# KiCad board AI_Pyramid_PCB_HDMI_V0.3_20251031.kicad_pcb (continued)
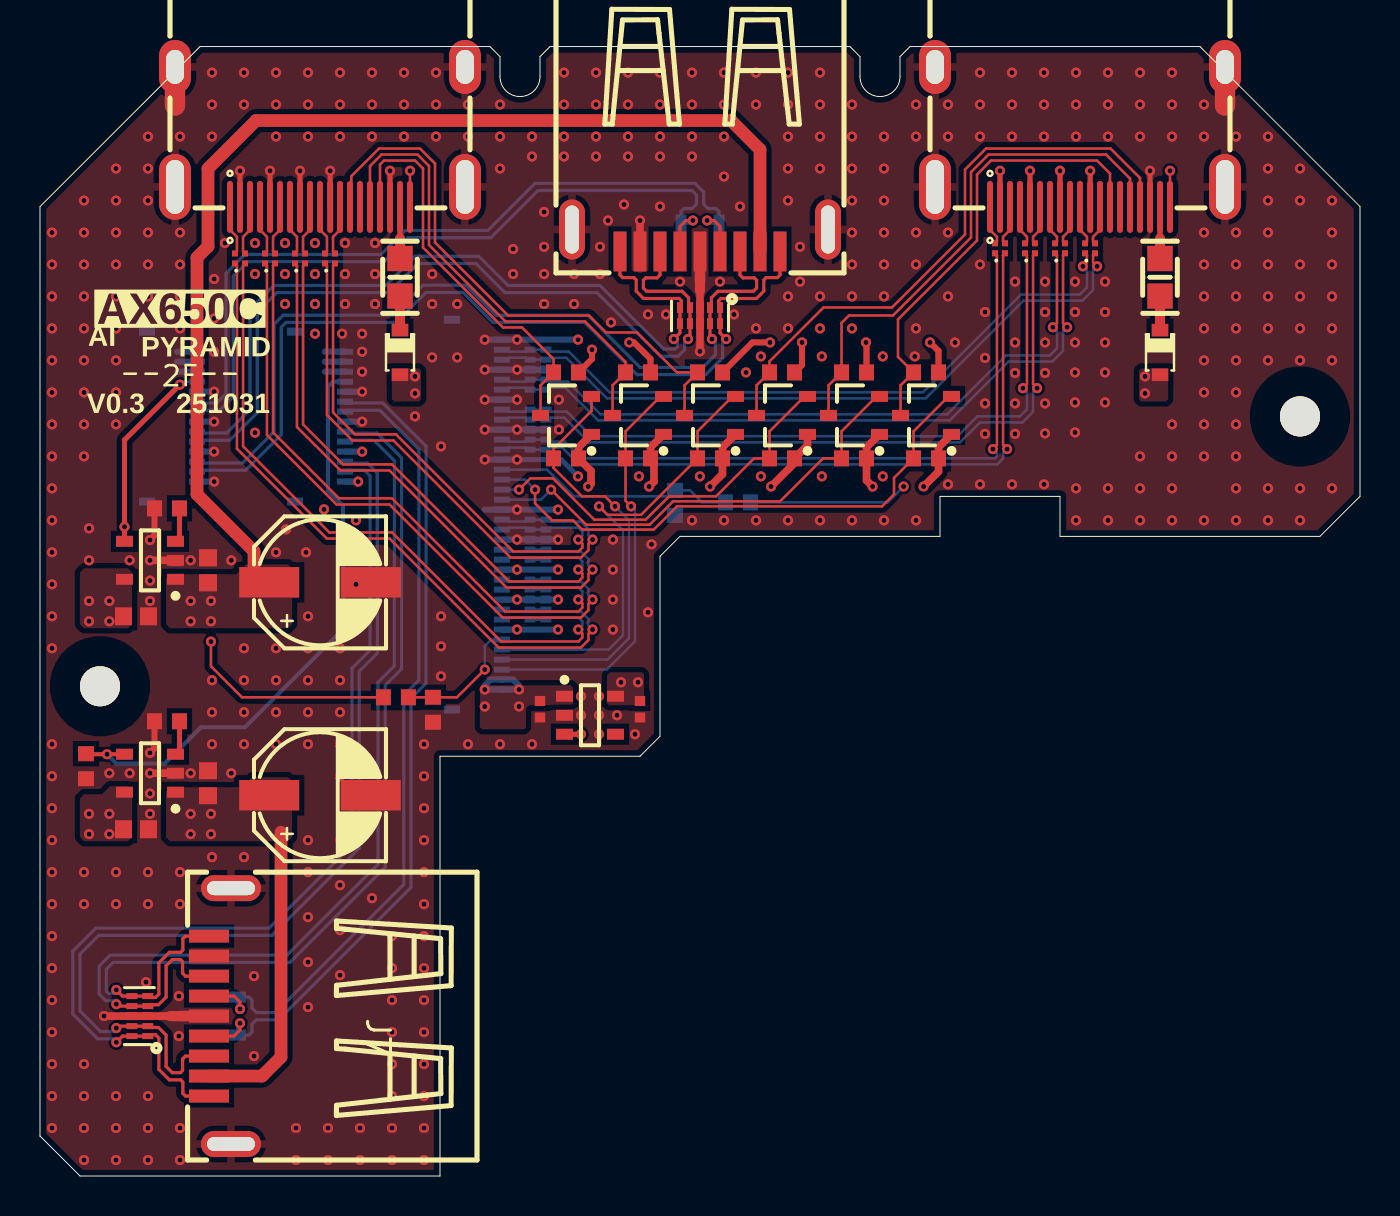
[diagram p0: board, top side]
## Routing (per net, layer and track width the routed paths; a pad name or vN(x,y) marks a point on that pad's centre or on a via; arc(x,y) is an arc through that point) (continued)
VDD_3V3: length 18.9
  Top Layer w0.381: FET3.1 30.52,36.45 R10.1 30.7,35.72 30.7,34.74 v1(30.45,34.49) ; v1(36.55,34.49) 37.72,35.67 R12.1 38.37,36.55 FET4.1 ; FET2.1 44.92,36.45 R8.1 44.92,35.24 v1(44.18,34.49) ; FET1.1 41.32,36.45 R6.1 41.32,34.8 v1(41.63,34.49) ; FET5.1 34.12,36.45 R14.1 34.12,35.11 v1(33.5,34.49) ; v1(27.41,34.49) 27.55,34.63 27.55,35.27 R16.1 26.92,36.45 FET6.1
  vias: v1(29.05,24.7) v1(29.9,24.7)
VDD_5V: length 19.9
  Top Layer w0.254: U4.3 v1(27.05,22.1)
  Top Layer w0.305: v1(38.1,41.7) 38.1,40.57 R13.1 ; v1(27.6,41.34) 27.6,40.88 R17.1 ; R11.1 30.52,40.88 29.7,41.7 v1(29.46,41.7) ; R7.1 41.32,41.67 v1(41.3,41.7) ; v1(44.5,41.7) 44.92,41.27 R9.1 ; R15.1 35.62,41.7 v1(36.5,41.7)
  Layer 2 w0.254: v1(23.95,23.49) 25.66,23.49 v1(27.05,22.1)
  Bottom Layer w0.305: 23.65,24.84 23.95,24.54 v1(23.95,24.34) J5.36 v1(22.24,24.34) 22.24,24.54 22.54,24.84 J5.35 23.65,24.84
  vias: v1(18.75,40) v1(18.75,39.15) v1(22.24,23.49) v1(55.25,40) v1(55.25,39.15)
VDD_EXT_5V: length 6
  Bottom Layer w0.305: 14.25,40.24 J6.12 ; 14.25,41.24 J6.14 ; 6.85,41.24 J1.14 ; 6.85,40.24 J1.12 ; 14.25,40.74 J6.13 ; 6.85,40.74 J1.13
  vias: v1(2.45,28.77) v1(2.45,27.75) v1(2.45,18.12) v1(2.45,17.1) v1(3.47,28.77) v1(3.47,27.75) v1(3.47,18.12) v1(3.47,17.1)
DS3_PWR_EN: length 9.9
  Top Layer w0.254: v1(6.99,39.59) 4.23,36.82 v1(4.23,32.48) U1.4
  Bottom Layer w0.127: v1(6.99,39.59) 7.14,39.74 J1.11
DS4_PWR_EN: length 30.1
  Top Layer w0.203: U11.4 v1(3.35,21.1) 2.33,21.1 R19.2
  Bottom Layer w0.203: v1(3.35,21.1) 3.82,20.63 6.23,20.63 8.05,22.45 10.25,22.45 15.15,27.35 15.15,33.54 14.4,34.29 14.4,39.49 14.65,39.74 J6.11
HDMI0_5V: length 2.6
  Top Layer w0.254: 56,46.9 J3.18
  Top Layer w0.508: F1.2 56,46.9
HDMI0_CEC: length 28
  Top Layer w0.127: FET2.2 45.42,39 43.67,37.25 R8.2 42.7,34.93 42.7,34.1 42.1,33.5 31.85,33.5 30.69,32.34 27.11,32.34 26.65,32.8 25.6,32.8 24.75,33.65 v1(24.75,34.34)
  Bottom Layer w0.127: v1(24.75,34.34) 24.25,34.84 J5.15
HDMI0_CEC_EXT: length 23.2
  Top Layer w0.127: FET2.3 43.02,39.55 R9.2 42.9,40.97 42.9,42.85 46.85,46.8 46.85,50.1 47.55,50.8 52.85,50.8 53.5,50.15 J3.13
HDMI0_CLK_E_N: length 2
  Top Layer w0.127: J3.12 53,47.33 52.65,46.98 52.65,46.76 L7.3
HDMI0_CLK_E_P: length 2
  Top Layer w0.127: L7.4 52.35,46.76 52.35,46.98 52,47.33 J3.10
HDMI0_CLK_N: length 34.8
  Top Layer w0.127: L7.2 52.65,46.06 52.65,45.71 v1(52.86,45.51)
  Bottom Layer w0.127: v1(52.86,45.51) 52.65,45.3 52.65,44.33 52.12,43.79 49.17,43.79 44.28,38.9 28.35,38.9 26.31,40.94 25.52,40.94 25.42,40.84 U7.7 U7.4 24.37,40.84 24.28,40.94 23.44,40.94 23.35,40.84 J5.3
HDMI0_CLK_P: length 34.3
  Top Layer w0.127: v1(52.14,45.51) 52.35,45.71 52.35,46.06 L7.1
  Bottom Layer w0.127: v1(52.14,45.51) 52.35,45.3 52.35,44.45 51.99,44.1 49.05,44.1 44.15,39.2 28.48,39.2 26.44,41.24 25.52,41.24 25.42,41.34 U7.6 U7.5 24.37,41.34 24.28,41.24 23.44,41.24 23.35,41.34 J5.2
HDMI0_D0_E_N: length 2
  Top Layer w0.127: L5.3 51.15,46.76 51.15,46.98 51.5,47.33 J3.9
HDMI0_D0_E_P: length 2
  Top Layer w0.127: L5.4 50.85,46.76 50.85,46.98 50.5,47.33 J3.7
HDMI0_D0_N: length 35.4
  Top Layer w0.127: L5.2 51.15,46.06 51.15,42.66 v1(51.36,42.46)
  Bottom Layer w0.127: v1(51.36,42.46) 51.15,42.26 51.15,41.28 50.62,40.74 48.42,40.74 45.48,37.8 27.9,37.8 26.26,39.44 25.52,39.44 25.42,39.34 24.38,39.34 24.28,39.44 23.44,39.44 23.35,39.34 J5.6
HDMI0_D0_P: length 34.9
  Top Layer w0.127: L5.1 50.85,46.06 50.85,42.66 v1(50.64,42.46)
  Bottom Layer w0.127: v1(50.64,42.46) 50.85,42.26 50.85,41.4 50.49,41.05 48.3,41.05 45.35,38.1 28.03,38.1 26.39,39.74 25.52,39.74 25.42,39.84 24.38,39.84 24.28,39.74 23.44,39.74 23.35,39.84 J5.5
HDMI0_D1_E_N: length 2
  Top Layer w0.127: J3.6 50,47.33 49.65,46.98 49.65,46.76 L3.3
HDMI0_D1_E_P: length 2
  Top Layer w0.127: J3.4 49,47.33 49.35,46.98 49.35,46.76 L3.4
HDMI0_D1_N: length 36
  Top Layer w0.127: L3.2 49.65,46.06 49.65,39.62 v1(49.86,39.41)
  Bottom Layer w0.127: J5.9 23.35,37.84 23.44,37.94 24.28,37.94 24.37,37.84 25.42,37.84 25.52,37.94 26.21,37.94 27.45,36.7 46,36.7 47,37.7 49.12,37.7 49.65,38.23 49.65,39.21 v1(49.86,39.41)
HDMI0_D1_P: length 35.5
  Top Layer w0.127: v1(49.14,39.41) 49.35,39.62 49.35,46.06 L3.1
  Bottom Layer w0.127: J5.8 23.35,38.34 23.44,38.24 24.28,38.24 24.37,38.34 25.42,38.34 25.52,38.24 26.34,38.24 27.58,37 45.87,37 46.87,38 48.99,38 49.35,38.36 49.35,39.21 v1(49.14,39.41)
HDMI0_D2_E_N: length 2
  Top Layer w0.127: J3.3 48.5,47.33 48.15,46.98 48.15,46.76 L1.3
HDMI0_D2_E_P: length 2
  Top Layer w0.127: J3.1 47.5,47.33 47.85,46.98 47.85,46.76 L1.4
HDMI0_D2_N: length 36.3
  Top Layer w0.127: v1(48.36,36.36) 48.15,36.57 48.15,46.06 ; 48.15,46.06 L1.2 48.15,46.06
  Bottom Layer w0.127: v1(48.36,36.36) 48.15,36.16 48.15,35.89 47.86,35.6 26.95,35.6 26.11,36.44 25.52,36.44 25.42,36.34 24.37,36.34 24.28,36.44 23.44,36.44 23.35,36.34 J5.12
HDMI0_D2_P: length 35.6
  Top Layer w0.127: v1(47.64,36.36) 47.85,36.57 47.85,46.06 L1.1
  Bottom Layer w0.127: v1(47.64,36.36) 47.85,36.16 47.85,36.02 47.73,35.9 27.08,35.9 26.24,36.74 25.52,36.74 25.42,36.84 24.37,36.84 24.28,36.74 23.44,36.74 23.35,36.84 J5.11
HDMI0_HPD: length 12.1
  Bottom Layer w0.127: R2.2 33.1,33.7 32.5,34.3 R4.2 31.45,34 26.69,34 25.35,35.34 J5.14
HDMI0_HPD_EXT: length 36.4
  Top Layer w0.127: J3.19 v1(56.5,50.29)
  Layer 2 w0.102: v1(43.18,34.49) 43.94,35.25 52.9,35.25 56.5,38.85 v1(56.5,50.29)
  Bottom Layer w0.127: v1(43.18,34.49) 42.39,33.7 R2.1
HDMI0_SCL: length 23.3
  Top Layer w0.127: FET1.2 41.82,39 40.07,37.25 R6.2 39.15,35.9 37,33.75 31.65,33.75 30.48,32.58 27.31,32.58 v1(25.55,34.34)
  Bottom Layer w0.127: J5.17 25.05,33.84 v1(25.55,34.34)
HDMI0_SCL_EXT: length 26.6
  Top Layer w0.127: FET1.3 39.42,39.55 R7.2 40.07,42.67 40.45,43.05 42.65,43.05 46.55,46.95 46.55,50.22 47.43,51.1 53.3,51.1 54.5,49.9 J3.15
HDMI0_SDA: length 19.7
  Top Layer w0.127: FET4.2 38.22,39 36.47,37.25 R12.2 35.7,35.9 33.8,34 31.45,34 30.28,32.83 27.72,32.83 25.65,34.9 24.52,34.9 v1(23.95,34.34)
  Bottom Layer w0.127: J5.16 v1(23.95,34.34)
HDMI0_SDA_EXT: length 29.9
  Top Layer w0.127: J3.16 55,49.92 53.52,51.4 47.3,51.4 46.25,50.35 46.25,47.1 42.6,43.45 39.17,43.45 36.47,40.75 R13.2 35.82,39.55 FET4.3
HDMI1_5V: length 2.6
  Top Layer w0.254: 18,46.9 J4.18
  Top Layer w0.508: F2.2 18,46.9
HDMI1_CEC: length 23.5
  Top Layer w0.127: v1(27.95,33.5) 28.37,33.08 30.05,33.08 R14.2 32.87,37.25 34.62,39 FET5.2
  Bottom Layer w0.127: v1(27.95,33.5) 29.15,32.3 29.15,27.05 28.44,26.34 J5.32
HDMI1_CEC_EXT: length 28.8
  Top Layer w0.127: J4.13 15.56,48.54 15.56,50.01 16.95,51.4 19,51.4 19.75,50.65 19.75,46.7 23.4,43.05 27.45,43.05 28.3,42.2 29.85,42.2 31.85,40.2 R15.2 32.22,39.55 FET5.3
HDMI1_CLK_E_N: length 2.5
  Top Layer w0.127: J4.12 15,47.33 14.65,46.98 14.65,46.25 L8.3
HDMI1_CLK_E_P: length 2.5
  Top Layer w0.127: J4.10 14,47.33 14.35,46.98 14.35,46.25 L8.4
HDMI1_CLK_N: length 28.1
  Top Layer w0.127: v1(26.92,31.84) 27.12,31.63 27.12,31.44 26.92,31.24 23.66,31.24 17.8,37.1 15.75,37.1 14.65,38.2 14.65,45.55 L8.2
  Bottom Layer w0.127: J5.20 23.35,32.34 23.44,32.44 24.28,32.44 24.37,32.34 U8.4 U8.7 25.42,32.34 25.52,32.44 26.92,32.44 27.12,32.24 27.12,32.04 v1(26.92,31.84)
HDMI1_CLK_P: length 29.6
  Top Layer w0.127: v1(27.63,31.84) 27.42,31.63 27.42,31.31 27.05,30.94 23.53,30.94 17.67,36.8 15.62,36.8 14.35,38.07 14.35,45.55 L8.1
  Bottom Layer w0.127: v1(27.63,31.84) 27.42,32.04 27.42,32.36 27.05,32.74 25.52,32.74 25.42,32.84 U8.6 24.37,32.84 24.28,32.74 23.44,32.74 23.35,32.84 J5.19
HDMI1_D0_E_N: length 2.5
  Top Layer w0.127: L6.3 13.15,46.25 13.15,46.98 13.5,47.33 J4.9
HDMI1_D0_E_P: length 2.5
  Top Layer w0.127: J4.7 12.5,47.33 12.85,46.98 12.85,46.25 L6.4
HDMI1_D0_N: length 30.6
  Top Layer w0.127: L6.2 13.15,45.55 13.15,37.6 15.15,35.6 17.6,35.6 23.46,29.74 26.92,29.74 27.12,29.94 27.12,30.13 v1(26.92,30.34)
  Bottom Layer w0.127: v1(26.92,30.34) 27.12,30.54 27.12,30.74 26.92,30.94 25.52,30.94 25.42,30.84 24.38,30.84 24.28,30.94 23.44,30.94 23.35,30.84 J5.23
HDMI1_D0_P: length 32.1
  Top Layer w0.127: L6.1 12.85,45.55 12.85,37.47 15.02,35.3 17.47,35.3 23.33,29.44 27.05,29.44 27.42,29.81 27.42,30.13 v1(27.63,30.34)
  Bottom Layer w0.127: v1(27.63,30.34) 27.42,30.54 27.42,30.86 27.05,31.24 25.52,31.24 25.42,31.34 24.37,31.34 24.28,31.24 23.44,31.24 23.35,31.34 J5.22
HDMI1_D1_E_N: length 2.5
  Top Layer w0.127: J4.6 12,47.33 11.65,46.98 11.65,46.25 L4.3
HDMI1_D1_E_P: length 2.5
  Top Layer w0.127: 11,48.48 11,47.33 11.35,46.98 11.35,46.25 L4.4
HDMI1_D1_N: length 32.9
  Top Layer w0.127: v1(26.92,28.84) 27.12,28.63 27.12,28.44 26.92,28.24 23.26,28.24 17.6,33.9 14.95,33.9 11.65,37.2 11.65,45.55 L4.2
  Bottom Layer w0.127: J5.26 23.35,29.34 23.44,29.44 24.28,29.44 24.37,29.34 25.42,29.34 25.52,29.44 26.92,29.44 27.12,29.24 27.12,29.04 v1(26.92,28.84)
HDMI1_D1_P: length 34.5
  Top Layer w0.127: v1(27.63,28.84) 27.42,28.63 27.42,28.31 27.05,27.94 23.13,27.94 17.47,33.6 14.82,33.6 11.35,37.07 11.35,45.55 L4.1
  Bottom Layer w0.127: v1(27.63,28.84) 27.42,29.04 27.42,29.36 27.05,29.74 25.52,29.74 25.42,29.84 24.37,29.84 24.28,29.74 23.44,29.74 23.35,29.84 J5.25
HDMI1_D2_E_N: length 2.5
  Top Layer w0.127: L2.3 10.15,46.25 10.15,46.98 10.5,47.33 J4.3
HDMI1_D2_E_P: length 2.5
  Top Layer w0.127: L2.4 9.85,46.25 9.85,46.98 9.5,47.33 J4.1
HDMI1_D2_N: length 35.5
  Top Layer w0.127: v1(26.92,27.34) 27.12,27.13 27.12,26.94 26.92,26.74 23.06,26.74 17.6,32.2 14.47,32.2 10.15,36.51 10.15,45.55 L2.2
  Bottom Layer w0.127: J5.29 23.35,27.84 23.44,27.94 24.28,27.94 24.37,27.84 25.42,27.84 25.52,27.94 26.92,27.94 27.12,27.74 27.12,27.54 v1(26.92,27.34)
HDMI1_D2_P: length 37
  Top Layer w0.127: v1(27.63,27.34) 27.42,27.13 27.42,26.81 27.05,26.44 22.93,26.44 17.48,31.89 14.34,31.89 9.85,36.38 9.85,45.55 L2.1
  Bottom Layer w0.127: J5.28 23.35,28.34 23.44,28.24 24.28,28.24 24.37,28.34 25.42,28.34 25.52,28.24 27.05,28.24 27.42,27.86 27.42,27.54 v1(27.63,27.34)
HDMI1_HPD: length 6.6
  Top Layer w0.127: R3.2 R5.2 20.85,23.95 v1(22.24,25.34)
  Bottom Layer w0.127: v1(22.24,25.34) 22.24,26.52 22.56,26.84 J5.31
HDMI1_HPD_EXT: length 46.9
  Top Layer w0.127: v1(8.55,26.74) 8.55,25.5 10.1,23.95 R3.1 ; J4.19 v1(18.5,50.29)
  Layer 2 w0.102: v1(8.55,26.74) 9.2,27.39 9.2,30.05 8.15,31.1 8.15,49.1 10.2,51.15 17.64,51.15 v1(18.5,50.29)
HDMI1_SCL: length 20.6
  Top Layer w0.127: FET3.2 31.02,39 29.27,37.25 R10.2 29.27,33.78 v1(29.55,33.5)
  Bottom Layer w0.127: J5.34 28.34,25.34 29.75,26.75 29.75,33.3 v1(29.55,33.5)
HDMI1_SCL_EXT: length 24.6
  Top Layer w0.127: J4.15 16.5,50.52 17.08,51.1 18.87,51.1 19.45,50.52 19.45,46.58 23.28,42.75 27.25,42.75 29.27,40.73 R11.2 28.62,39.55 FET3.3
HDMI1_SDA: length 21.9
  Top Layer w0.127: FET6.2 27.57,38.27 25.67,36.38 R16.2 25.67,35.43 27.1,34 28.25,34 v1(28.75,33.5)
  Bottom Layer w0.127: J5.33 28.39,25.84 29.45,26.9 29.45,32.8 v1(28.75,33.5)
HDMI1_SDA_EXT: length 20.4
  Top Layer w0.127: J4.16 17,50.6 17.2,50.8 18.75,50.8 19.15,50.4 19.15,46.45 23.15,42.45 24.1,42.45 25.67,40.88 R17.2 25.02,39.55 FET6.3
NetD1_2: length 1.7
  Top Layer w0.508: D1.2 F1.1
NetD2_2: length 1.7
  Top Layer w0.508: D2.2 F2.1
NetR1_1: length 1.7
  Top Layer w0.254: U1.3 6.98,31.95 R1.1
NetR18_1: length 1.7
  Top Layer w0.254: U11.3 6.98,21.3 R18.1
USB2_DS3_D0_N: length 38.4
  Top Layer w0.158: v1(33.36,47.8) 33.7,47.8 34,47.5 J2.2
  Bottom Layer w0.158: J1.9 7.92,38.67 8.83,38.67 9.3,39.14 9.3,45.16 10.24,46.1 17.05,46.1 18.25,47.3 22.39,47.3 24.75,49.66 32.75,49.66 33.19,49.22 33.19,48.61 33.4,48.4 33.8,48.4 33.95,48.25 U3.2 33.48,47.68 v1(33.36,47.8)
USB2_DS3_D0_P: length 37.8
  Top Layer w0.158: v1(32.64,47.8) 32.3,47.8 32,47.5 J2.3
  Bottom Layer w0.158: J1.8 7.92,38.31 8.98,38.31 9.66,38.99 9.66,45.01 10.39,45.74 17.2,45.74 18.4,46.94 22.54,46.94 24.9,49.3 32.6,49.3 32.83,49.07 32.83,48.63 32.6,48.4 32.2,48.4 32.05,48.25 U3.1 32.52,47.68 v1(32.64,47.8)
USB2_DS4_D0_N: length 42
  Top Layer w0.158: J7.2 9.7,7 10,7.3 v1(10,7.64)
  Bottom Layer w0.158: J6.9 15.32,38.67 17.14,38.67 19.3,36.51 19.3,24.65 18.55,23.9 18.55,14.44 11.92,7.81 10.81,7.81 10.6,7.6 10.6,7.2 10.45,7.05 U9.2 9.88,7.52 v1(10,7.64)
USB2_DS4_D0_P: length 40.8
  Top Layer w0.158: v1(10,8.36) 10,8.7 9.7,9 J7.3
  Bottom Layer w0.158: J6.8 15.32,38.31 16.99,38.31 18.94,36.36 18.94,24.8 18.19,24.05 18.19,14.59 11.77,8.17 10.83,8.17 10.6,8.4 10.6,8.8 10.45,8.95 U9.1 9.88,8.48 v1(10,8.36)
USB3_DS3_RX_N: length 40.3
  Top Layer w0.158: J2.5 29,45.07 29.13,44.94 29.7,44.94 29.81,44.83 29.81,44.27 30.18,43.9 31.95,43.9 32.07,43.78 32.07,43.64 32,43.57 U2.5 U2.6 32,42.18 v1(31.69,41.87)
  Bottom Layer w0.158: J1.6 7.92,37.17 9.33,37.17 10.5,38.34 10.5,43.36 11.69,44.55 17.29,44.55 18.75,46.01 21.94,46.01 23.4,44.55 28,44.55 31.18,41.37 31.75,41.37 31.87,41.48 31.87,41.69 v1(31.69,41.87)
USB3_DS3_RX_P: length 40.8
  Top Layer w0.158: J2.6 31,45.07 30.86,44.93 30.28,44.93 30.17,44.82 30.17,44.42 30.33,44.26 32.1,44.26 32.43,43.93 32.43,43.64 32.5,43.57 U2.4 U2.7 32.5,41.97 v1(32.4,41.87)
  Bottom Layer w0.158: J1.5 7.92,36.81 9.48,36.81 10.86,38.19 10.86,43.21 11.84,44.19 17.44,44.19 18.9,45.65 21.79,45.65 23.25,44.19 27.85,44.19 31.03,41.01 31.9,41.01 32.23,41.33 32.23,41.69 v1(32.4,41.87)
USB3_DS3_TX_N: length 42.7
  Top Layer w0.158: v1(33.6,41.87) 33.5,41.97 U2.9 U2.2 33.5,43.57 33.57,43.64 33.57,43.93 33.9,44.26 35.67,44.26 35.83,44.42 35.83,44.82 35.72,44.93 35.14,44.93 35,45.07 J2.8
  Bottom Layer w0.158: J1.3 7.92,35.67 10.13,35.67 11.7,37.24 11.7,42.61 12.15,43.06 17.65,43.06 19.15,44.56 21.3,44.56 22.8,43.06 27.39,43.06 30,40.45 33.14,40.45 33.77,41.08 33.77,41.69 v1(33.6,41.87)
USB3_DS3_TX_P: length 43.4
  Top Layer w0.158: J2.9 37,45.07 36.87,44.94 36.3,44.94 36.19,44.83 36.19,44.27 35.82,43.9 34.05,43.9 33.93,43.78 33.93,43.64 34,43.57 U2.1 U2.10 34,42.18 v1(34.31,41.87)
  Bottom Layer w0.158: J1.2 7.92,35.31 10.28,35.31 12.06,37.09 12.06,42.46 12.3,42.7 17.8,42.7 19.3,44.2 21.15,44.2 22.65,42.7 27.24,42.7 29.85,40.09 33.29,40.09 34.13,40.93 34.13,41.69 v1(34.31,41.87)
USB3_DS4_RX_N: length 49.3
  Top Layer w0.158: v1(3.82,9.31) 4.12,9 U10.6 5.51,9 5.58,8.93 5.78,8.93 5.94,9.1 5.94,10.67 6.47,11.19 7.03,11.19 7.14,11.3 7.14,11.87 7.27,12 J7.5
  Bottom Layer w0.158: v1(3.82,9.31) 3.64,9.13 3.43,9.13 3.32,9.25 3.32,10.35 3.66,10.69 12.5,10.69 17.26,15.45 17.26,24.55 18.08,25.37 18.08,35.93 16.84,37.17 15.32,37.17 J6.6
USB3_DS4_RX_P: length 49.2
  Top Layer w0.158: v1(3.82,8.6) 3.91,8.5 U10.7 5.51,8.5 5.58,8.57 5.93,8.57 6.3,8.95 6.3,10.52 6.62,10.83 7.02,10.83 7.13,10.72 7.13,10.14 7.27,10 J7.6
  Bottom Layer w0.158: v1(3.82,8.6) 3.64,8.77 3.28,8.77 2.96,9.1 2.96,10.5 3.51,11.05 12.35,11.05 16.9,15.6 16.9,24.7 17.72,25.52 17.72,35.78 16.69,36.81 15.32,36.81 J6.5
USB3_DS4_TX_N: length 49.5
  Top Layer w0.158: J7.8 7.27,6 7.13,5.86 7.13,5.28 7.02,5.17 6.62,5.17 6.3,5.48 6.3,7.05 5.93,7.43 5.58,7.43 5.51,7.5 U10.2 U10.9 3.91,7.5 v1(3.82,7.4)
  Bottom Layer w0.158: v1(3.82,7.4) 3.64,7.23 3.03,7.23 2,8.26 2,11.1 2.94,12.04 11.6,12.04 15.96,16.4 15.96,25.25 16.86,26.15 16.86,35.17 16.36,35.67 15.32,35.67 J6.3
USB3_DS4_TX_P: length 49.6
  Top Layer w0.158: J7.9 7.27,4 7.14,4.13 7.14,4.7 7.03,4.81 6.47,4.81 5.94,5.33 5.94,6.9 5.78,7.07 5.58,7.07 5.51,7 U10.1 U10.10 4.12,7 v1(3.82,6.69)
  Bottom Layer w0.158: J6.2 15.32,35.31 16.21,35.31 16.5,35.02 16.5,26.3 15.6,25.4 15.6,16.55 11.45,12.4 2.79,12.4 1.64,11.25 1.64,8.11 2.88,6.87 3.64,6.87 v1(3.82,6.69)
VUSB_DS3: length 55.9
  Top Layer w0.635: J2.1 36,51.35 34.55,52.8 10.8,52.8 8.4,50.4 8.4,46.5 7.85,45.95 7.85,34.1 10.7,31.25 10.7,30.2
  vias: v1(7.53,28.77) v1(7.53,27.75) v1(8.55,28.77) v1(8.55,27.75)
VUSB_DS4: length 15.2
  Top Layer w0.635: 12.05,17.2 12.05,5.95 11.1,5 J7.1
  vias: v1(7.53,18.12) v1(7.53,17.1) v1(8.55,18.12) v1(8.55,17.1)

## Copper pours and planes (outline as drawn; the poured copper is in the pictures)
GND on Top Layer: 0,2 2,0 20,0 20,21 30,21 31,22 31,31 32,32 45,32 45,34 51,34 51,32 64,32 66,34 66,48.5 58,56.5 43.5,56.5 43,56 43,55 42.71,54.29 42,54 41.29,54.29 41,55 41,56 40.5,56.5 25.5,56.5 25,56 25,55 24.71,54.29 24,54 23.29,54.29 23,55 23,56 22.5,56.5 8,56.5 0,48.5
GND on Bottom Layer: -0.01,1.91 1.99,-0.09 19.99,-0.09 19.99,20.91 29.99,20.91 30.99,21.91 30.99,30.91 31.99,31.91 44.99,31.91 44.99,33.91 50.99,33.91 50.99,31.91 63.99,31.91 65.99,33.91 65.99,48.41 57.99,56.41 43.49,56.41 42.99,55.91 42.99,54.91 42.7,54.2 41.99,53.91 41.29,54.2 40.99,54.91 40.99,55.91 40.49,56.41 25.49,56.41 24.99,55.91 24.99,54.91 24.7,54.2 23.99,53.91 23.29,54.2 22.99,54.91 22.99,55.91 22.49,56.41 7.99,56.41 -0.01,48.41
GND on Layer 2: 0,2 2,0 20,0 20,21 30,21 31,22 31,31 32,32 45,32 45,34 51,34 51,32 64,32 66,34 66,48.5 58,56.5 43.5,56.5 43,56 43,55 42.71,54.29 42,54 41.29,54.29 41,55 41,56 40.5,56.5 25.5,56.5 25,56 25,55 24.71,54.29 24,54 23.29,54.29 23,55 23,56 22.5,56.5 8,56.5 0,48.5
GND on Layer 1: 0,2 2,0 20,0 20,21 30,21 31,22 31,31 32,32 45,32 45,34 51,34 51,32 64,32 66,34 66,48.5 58,56.5 43.5,56.5 43,56 43,55 42.71,54.29 42,54 41.29,54.29 41,55 41,56 40.5,56.5 25.5,56.5 25,56 25,55 24.71,54.29 24,54 23.29,54.29 23,55 23,56 22.5,56.5 8,56.5 0,48.5
VDD_3V3 on Top Layer: 30.1,25.2 30.2,25.1 30.2,23.65 30.1,23.55 28.45,23.55 28.35,23.65 28.35,25.05 28.5,25.2
VDD_3V3 on Layer 2: 28.6,24.3 30.4,24.3 30.5,24.4 30.5,31.25 32.35,33.1 44.4,33.1 44.5,33.2 44.5,34.65 44.4,34.75 27.2,34.75 27.1,34.65 27.1,33.95 27.2,33.85 29.9,33.85 30,33.75 30,33.05 29.05,32.1 29.05,26.35 28.5,25.8 28.5,24.4
VDD_5V on Top Layer: 56.3,40.4 56.4,40.3 56.4,38.85 56.3,38.75 55.05,38.75 54.95,38.85 54.95,40.3 55.05,40.4
VDD_5V on Top Layer: 26.65,24.45 26.55,24.55 22.1,24.55 22,24.45 22,22.45 22.1,22.35 24.2,22.35 24.3,22.45 24.3,23.4 24.45,23.55 26.55,23.55 26.65,23.65
VDD_5V on Top Layer: 17.7,40.4 17.6,40.3 17.6,38.85 17.7,38.75 18.95,38.75 19.05,38.85 19.05,40.3 18.95,40.4
VDD_5V on Bottom Layer: 36.15,44.45 36.25,44.55 43.9,44.55 48.95,49.6 56,49.6 56.4,49.2 56.4,38.85 56.3,38.75 55,38.75 54.9,38.85 54.9,47.05 54.7,47.25 50.5,47.25 44.7,41.45 36.25,41.45 36.15,41.55
VDD_5V on Bottom Layer: 21.85,24.95 22.65,24.15 24.15,24.15 24.25,24.05 24.25,22.3 24.15,22.2 22.05,22.2 20.35,23.9 20.35,37.05 18.35,39.05 18.35,40.25 18.45,40.35 21.75,40.35 21.85,40.25
VDD_5V on Layer 2: 44.7,38.8 44.8,38.9 44.8,41.9 44.7,42 35.55,42 34.9,41.35 30.35,41.35 29.45,42.25 18.45,42.25 18.35,42.15 18.35,39.05 18.6,38.8
VDD_EXT_5V on Top Layer: 2,18.9 2.2,19.1 3.1,19.1 3.5,19.5 4.4,19.5 4.6,19.3 4.6,16.95 4.4,16.75 2.2,16.75 2,16.95
VDD_EXT_5V on Top Layer: 4.4,30.4 4.6,30.2 4.6,27.6 4.4,27.4 2.2,27.4 2,27.6 2,30.2 2.2,30.4
VDD_EXT_5V on Bottom Layer: 12.8,41.25 12.9,41.35 14.2,41.35 14.3,41.25 14.3,36.05 10.5,32.25 5.1,32.25 4,31.15 4,27.5 3.9,27.4 1.35,27.4 1.25,27.5 1.25,33.25 4.95,36.95 4.95,41.4 5.05,41.5 7,41.5 7.1,41.4 7.1,34.05 7.2,33.95 9,33.95 9.4,34.35 10.5,34.35 12.8,36.65
VDD_EXT_5V on Layer 2: 2.1,30.3 2.2,30.4 7.45,30.4 7.55,30.3 7.55,16.85 7.45,16.75 2.2,16.75 2.1,16.85
VUSB_DS3 on Top Layer: 9.8,30.1 10.3,30.6 12.4,30.6 12.6,30.4 12.6,27.6 12.4,27.4 6.5,27.4 6.3,27.6 6.3,29.9 6.5,30.1
VUSB_DS3 on Bottom Layer: 10.1,30.1 10.6,30.6 12.4,30.6 12.6,30.4 12.6,27.6 12.4,27.4 6.5,27.4 6.3,27.6 6.3,29.9 6.5,30.1
VUSB_DS4 on Top Layer: 10.1,19.45 10.6,19.95 12.4,19.95 12.6,19.75 12.6,16.95 12.4,16.75 6.5,16.75 6.3,16.95 6.3,19.25 6.5,19.45
VUSB_DS4 on Bottom Layer: 10.1,19.45 10.6,19.95 12.4,19.95 12.6,19.75 12.6,16.95 12.4,16.75 6.5,16.75 6.3,16.95 6.3,19.25 6.5,19.45

## Text on the board
Top Overlay: AX650C | AI | －－2F－－ | V0.3 | ${} | PYRAMID | 251031
